# Altium PCB xialeste.PcbDoc (part 8 of 10) (continued)
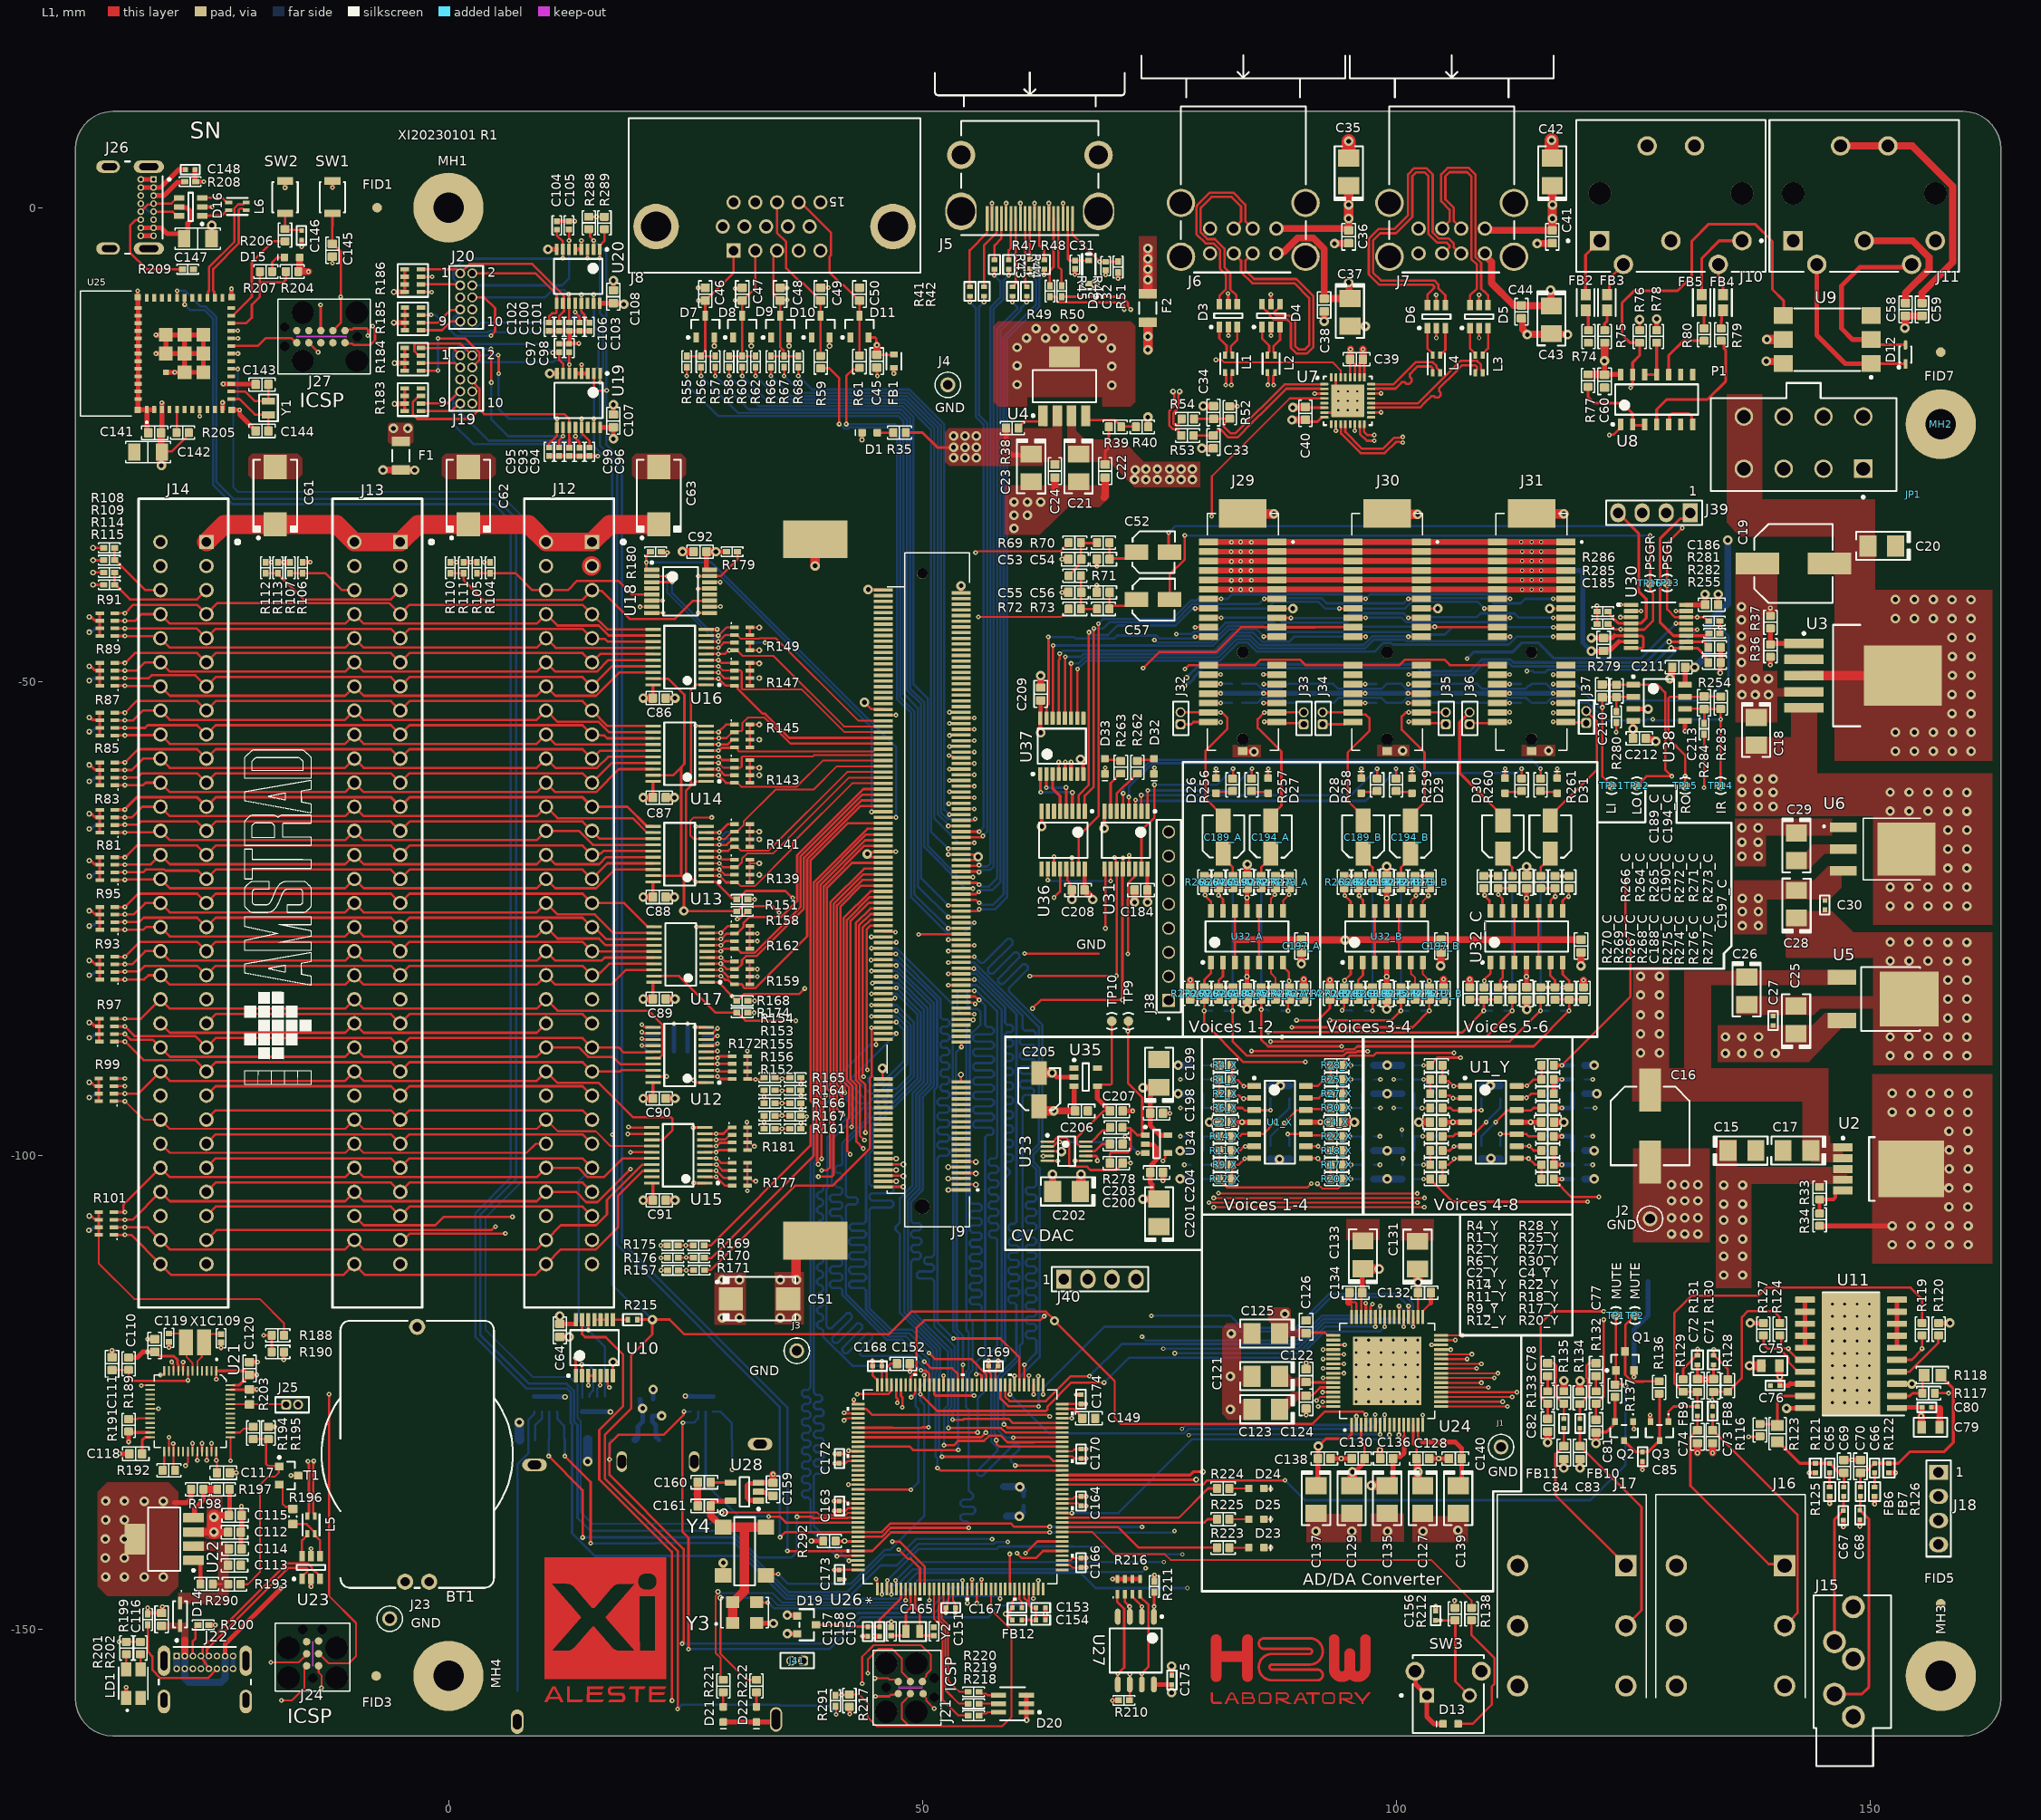
[diagram p0: L1 view]
## Nets (pads, with @x,y where several pads share a name; then routed paths per layer and width w, separated by ;. In a path a pad name is that pad's centre, name@x,y a point inside that pad or via, vN(x,y) a via of type N, cw(c..) or ccw(c..) an arc to the next point about the centre after c; other vN are vias at no path point) (continued)
MIX_R: C213.1 R248.2 R249.2 R250.2 R251.2 R252.2 R253.2 R283.1 R284.2 R285.2 R286.2 TP14.1 U38.6 | length 88.2
  L1 w0.25: v1(121.2,-42) 121.2,-42.7 121.225,-42.725 R285.2@121.225,-43.925 ; U38.6@130.475,-52.885 130.5,-53 130.545,-52.955 130.615,-52.885 132.46,-52.885 C213.1@132.5,-52.925 132.5,-54.25 132.598,-52.932 132.6,-52.9 R283.1@134.25,-52.9 ; R283.1@134.1,-53 134.25,-53.15 v1(134.25,-54) ; TP14.1@134.25,-61.101 TP14.1@134.25,-61 134.25,-54.05 v1@134.3,-54
  L3 w0.25: v1(121.2,-42) 121.9,-41.3 126.1,-41.3 127.325,-42.525 127.325,-53.2 127.148,-53.377 127.148,-53.948 v1(127.1,-53.996)
  L6 w0.25: R248.2@83.75,-52.25 R248.2@83.825,-52.25 85.358,-52.25 85.883,-51.725 87.975,-51.725 88.5,-52.25 R249.2@88.575,-52.25 93.388,-52.25 93.912,-51.725 98.475,-51.725 R250.2@99,-52.25 ; R250.2@99.075,-52.25 100.608,-52.25 101.133,-51.725 103.15,-51.725 103.675,-52.25 R251.2@103.75,-52.25 111.328,-52.25 111.846,-51.732 112.189,-51.732 112.197,-51.725 113.725,-51.725 114.075,-52.075 R252.2@114.11,-52.11 ; R252.2@114.325,-52.25 115.873,-52.25 116.398,-51.725 118.225,-51.725 R253.2@118.75,-52.25 ; R253.2@118.825,-52.25 120.256,-52.25 120.81,-52.804 122.106,-54.1 126.35,-54.1 126.454,-53.996 v1(127.1,-53.996) ; v1@127.1,-54.1 130.156,-54.1 130.256,-54 v1(134.25,-54)
MUTE: Q1.3 R136.1 TP2.1 | length 10.6
  L1 w0.25: TP2.1@125.2,-116.9 124.2,-117.9 124.2,-120.65 Q1.3@124.15,-120.7 124.175,-120.725 124.175,-123.147 124.903,-123.875 126.139,-123.875 126.164,-123.85 R136.1@127.75,-123.85
nBUTTON: R206.2 U25.23 | length 11.1
  L1 w0.25: U25.23@-22.94,-11.401 -22.74,-11.401 -20.75,-9.411 -20.75,-5.75 -18.548,-3.548 R206.2@-17.245,-3.548
NetBT1_2: BT1.2 BT1.3 D19.2 | length 43.6
  L1 w0.5: v2(35.757,-150.493) D19.2@36.799,-150.493
  L4 (PWR) w0.5: BT1.3@-4.57,-145 BT1.2@-2.03,-145 8.75,-145 13.274,-149.524 27.624,-149.524 28.593,-150.493 v2(35.757,-150.493)
NetC1_X_1: C1_X.1 R2_X.2 U1_X.2 | length 3.7
  L1 w0.25: R2_X.2@82.65,-93.5 82.85,-93.7 83.45,-93.7 83.75,-94 84.985,-94 U1_X.2@85.025,-93.96
  L6 w0.25: v1(83.911,-94.024) 83.926,-94.009 C1_X.1@85.015,-94.009
NetC1_X_2: C1_X.2 R1_X.2 R4_X.1 U1_X.1 | length 5.3
  L1 w0.25: R4_X.1@82.65,-90.5 R1_X.2@82.65,-92 82.721,-92.071 83.304,-92.071 v1(83.935,-92.702) 83.941,-92.696 85.019,-92.696 U1_X.1@85.025,-92.69
  L6 w0.25: v1(83.935,-92.702) 83.956,-92.68 84.993,-92.68 C1_X.2@85.015,-92.659
NetC1_Y_1: C1_Y.1 R2_Y.2 U1_Y.2 | length 3.9
  L1 w0.25: R2_Y.2@104.9,-93.5 105.1,-93.7 105.7,-93.7 105.997,-93.997 106,-94 107.235,-94 U1_Y.2@107.275,-93.96
  L6 w0.25: v1(106.019,-93.975) 106.053,-94.009 C1_Y.1@107.265,-94.009
NetC1_Y_2: C1_Y.2 R1_Y.2 R4_Y.1 U1_Y.1 | length 5.3
  L1 w0.25: R4_Y.1@104.9,-90.5 104.9,-91.775 105.013,-91.888 105.2,-92.075 105.2,-92.183 105.554,-92.183 v1(106.089,-92.718) 106.103,-92.704 107.261,-92.704 U1_Y.1@107.275,-92.69
  L6 w0.25: v1(106.089,-92.718) 106.119,-92.688 107.235,-92.688 C1_Y.2@107.265,-92.659
NetC3_X_1: C3_X.1 R1_X.1 R2_X.1 R3_X.2 | length 5.3
  L1 w0.2: v1(80.65,-92) R1_X.1@81.35,-92 R2_X.1@81.35,-93.5 81.35,-93.503 R2_X.1@81.336,-93.516
  L6 w0.2: R3_X.2@79.65,-92 v1(80.65,-92)
  L6 w0.25: v1(80.65,-92) 80.688,-92.038 80.688,-92.188 81.95,-93.45 C3_X.1@82,-93.45
NetC3_X_2: C3_X.2 R5_X.2 R6_X.1 R8_X.2 | length 4.6
  L1 w0.2: v1(80.65,-95) R6_X.1@81.35,-95
  L6 w0.2: R8_X.2@79.65,-93.5 R5_X.2@79.65,-95 v1(80.65,-95) 81.95,-95 C3_X.2@82,-95.05
NetC3_Y_1: C3_Y.1 R1_Y.1 R2_Y.1 R3_Y.2 | length 5.2
  L1 w0.25: v1(102.9,-92) R1_Y.1@103.6,-92 R2_Y.1@103.6,-93.5
  L6 w0.25: R3_Y.2@101.9,-92 v1(102.9,-92) ; v1@102.938,-91.993 102.938,-92.188 104.2,-93.45 C3_Y.1@104.25,-93.45
NetC3_Y_2: C3_Y.2 R5_Y.2 R6_Y.1 R8_Y.2 | length 4.7
  L1 w0.25: v1(102.743,-95.031) 102.759,-95.016 103.585,-95.016 R6_Y.1@103.6,-95
  L6 w0.25: R8_Y.2@101.9,-93.5 R5_Y.2@101.9,-95 101.916,-95.016 102.728,-95.016 v1(102.743,-95.031) 104.231,-95.031 C3_Y.2@104.25,-95.05
NetC5_X_2: C5_X.2 R6_X.2 U1_X.3 | length 5.5
  L1 w0.25: R6_X.2@82.65,-95 83.773,-95 84.05,-95.277 84.978,-95.277 U1_X.3@85.025,-95.23 85.035,-95.24 v1(86.74,-95.24)
  L6 w0.25: v1(86.74,-95.24) 86.74,-94.033 C5_X.2@86.765,-94.009
NetC5_Y_2: C5_Y.2 R6_Y.2 U1_Y.3 | length 5.5
  L1 w0.25: R6_Y.2@104.9,-95 105.75,-95 106,-95.25 107.255,-95.25 U1_Y.3@107.275,-95.23 107.285,-95.24 v1@108.99,-95.24
  L6 w0.25: v1(108.994,-95.24) 108.99,-95.24 109,-95.25 109,-94.023 C5_Y.2@109.015,-94.009
NetC6_X_1: C6_X.1 R11_X.2 U1_X.6 | length 3.5
  L1 w0.25: R11_X.2@82.65,-99.5 83.537,-99.5 83.997,-99.04 U1_X.6@85.025,-99.04
  L6 w0.25: v1(84.097,-99.075) 84.135,-99.037 84.956,-99.037 C6_X.1@85,-98.993
NetC6_X_2: C6_X.2 R9_X.2 R12_X.1 U1_X.7 | length 5.1
  L1 w0.25: R12_X.1@82.65,-102.5 R9_X.2@82.65,-101 83.396,-101 84.062,-100.334 85.001,-100.334 U1_X.7@85.025,-100.31
  L6 w0.25: v1(84.038,-100.357) 84.046,-100.35 84.993,-100.35 C6_X.2@85,-100.343
NetC6_Y_1: C6_Y.1 R11_Y.2 U1_Y.6 | length 3.7
  L1 w0.25: R11_Y.2@104.9,-99.5 105.669,-99.5 106.116,-99.052 107.263,-99.052 U1_Y.6@107.275,-99.04
  L6 w0.25: v1(106.104,-99.065) 106.158,-99.065 106.23,-98.993 C6_Y.1@107.25,-98.993
NetC6_Y_2: C6_Y.2 R9_Y.2 R12_Y.1 U1_Y.7 | length 5.3
  L1 w0.25: R12_Y.1@104.9,-102.5 R9_Y.2@104.9,-101 104.904,-100.996 105.554,-100.996 106.087,-100.463 106.087,-100.388 106.145,-100.33 107.255,-100.33 U1_Y.7@107.275,-100.31
  L6 w0.25: v1(106.125,-100.35) 106.129,-100.346 107.246,-100.346 C6_Y.2@107.25,-100.343
NetC7_X_1: C7_X.1 R9_X.1 R10_X.2 R11_X.1 | length 5.2
  L1 w0.2: v1(80.7,-101) R9_X.1@81.35,-101 R11_X.1@81.35,-99.5
  L6 w0.2: R10_X.2@79.65,-101 v1(80.7,-101) 80.698,-100.952 80.698,-100.802 81.95,-99.55 C7_X.1@82,-99.55
NetC7_X_2: C7_X.2 R13_X.2 R14_X.1 R16_X.2 | length 4.6
  L1 w0.2: v1(80.65,-98) R14_X.1@81.35,-98
  L6 w0.2: R16_X.2@79.65,-99.5 R13_X.2@79.65,-98 v1(80.65,-98) 81.95,-98 C7_X.2@82,-97.95
NetC7_Y_1: C7_Y.1 R9_Y.1 R10_Y.2 R11_Y.1 | length 5.2
  L1 w0.25: v1(102.9,-101) R9_Y.1@103.6,-101 R11_Y.1@103.6,-99.5
  L6 w0.25: R10_Y.2@101.9,-101 v1(102.9,-101) ; v1@102.938,-100.982 102.938,-100.812 104.2,-99.55 C7_Y.1@104.25,-99.55
NetC7_Y_2: C7_Y.2 R13_Y.2 R14_Y.1 R16_Y.2 | length 6.1
  L1 w0.25: v1(102.807,-97.992) 102.811,-97.996 103.596,-97.996 R14_Y.1@103.6,-98
  L6 w0.25: R16_Y.2@101.9,-99.5 R13_Y.2@101.9,-98 101.904,-97.996 102.803,-97.996 v1(102.807,-97.992) ; C7_Y.2@104.225,-97.975 C7_Y.2@104.208,-97.992 ; C7_Y.2@104.25,-97.95 C7_Y.2@104.208,-97.992 ; v1@102.842,-97.992 102.825,-97.975 v1@102.842,-97.992 ; v1@102.842,-97.992 C7_Y.2@104.208,-97.992 ; v1@102.842,-97.992 C7_Y.2@104.208,-97.992
  L6 w0.5: C7_Y.2@104.225,-97.975 C7_Y.2@104.25,-97.95
NetC8_X_2: C8_X.2 R14_X.2 U1_X.5 | length 8.4
  L1 w0.25: R14_X.2@82.65,-98 83.5,-98 83.75,-97.75 85.005,-97.75 U1_X.5@85.025,-97.77 85.98,-97.77 v1(87.25,-96.5)
  L6 w0.25: v1(87.25,-96.5) 88.75,-95 88.75,-94.023 C8_X.2@88.765,-94.009
NetC8_Y_2: C8_Y.2 R14_Y.2 U1_Y.5 | length 8.3
  L1 w0.25: R14_Y.2@104.9,-98 106,-98 106.23,-97.77 U1_Y.5@107.275,-97.77 108.23,-97.77 v1(109.5,-96.5)
  L6 w0.25: v1(109.5,-96.5) 111,-95 111,-94.023 C8_Y.2@111.015,-94.009
NetC9_X_1: C9_X.1 R18_X.2 U1_X.9 | length 4.1
  L1 w0.25: U1_X.9@90.475,-99.04 91.79,-99.04 92.25,-99.5 R18_X.2@93.1,-99.5
  L6 w0.25: C9_X.1@90.5,-98.993 90.558,-99.051 v1(91.778,-99.051)
NetC9_X_2: C9_X.2 R17_X.2 R20_X.1 U1_X.8 | length 5.6
  L1 w0.25: U1_X.8@90.475,-100.31 91.56,-100.31 v1@91.664,-100.414 ; v1(91.744,-100.335) 92.409,-101 R17_X.2@93.1,-101 R20_X.1@93.1,-102.5
  L6 w0.25: C9_X.2@90.5,-100.343 90.508,-100.335 v1(91.744,-100.335)
NetC9_Y_1: C9_Y.1 R18_Y.2 U1_Y.9 | length 4.1
  L1 w0.25: U1_Y.9@112.725,-99.04 112.73,-99.035 114.033,-99.035 v1(114.038,-99.029) 114.509,-99.5 R18_Y.2@115.35,-99.5
  L6 w0.25: C9_Y.1@112.75,-98.993 112.768,-99.011 114.02,-99.011 v1(114.038,-99.029)
NetC9_Y_2: C9_Y.2 R17_Y.2 R20_Y.1 U1_Y.8 | length 5.6
  L1 w0.25: U1_Y.8@112.725,-100.31 113.952,-100.31 114.642,-101 R17_Y.2@115.35,-101 R20_Y.1@115.35,-102.5
  L6 w0.25: C9_Y.2@112.75,-100.343 v1(113.98,-100.343)
NetC10_X_1: C10_X.1 R17_X.1 R18_X.1 R19_X.2 | length 5.6
  L1 w0.2: R18_X.1@94.4,-99.5 R17_X.1@94.4,-101 v1(95.25,-101)
  L6 w0.2: v1(95.25,-101) R19_X.2@96.35,-101
  L6 w0.25: C10_X.1@93.75,-99.55 93.8,-99.55 v1(95.25,-101)
NetC10_X_2: C10_X.2 R21_X.2 R22_X.1 R24_X.2 | length 4.8
  L1 w0.2: R22_X.1@94.4,-98 v1(95.1,-98)
  L6 w0.2: C10_X.2@93.75,-97.95 93.8,-98 v1(95.1,-98) R21_X.2@96.35,-98 R24_X.2@96.35,-99.5
NetC10_Y_1: C10_Y.1 R17_Y.1 R18_Y.1 R19_Y.2 | length 5.6
  L1 w0.5: R18_Y.1@116.65,-99.5 R17_Y.1@116.65,-101 v1(117.5,-101)
  L6 w0.5: C10_Y.1@116,-99.55 116.05,-99.55 v1(117.5,-101) R19_Y.2@118.6,-101
NetC10_Y_2: C10_Y.2 R21_Y.2 R22_Y.1 R24_Y.2 | length 5
  L1 w0.5: R22_Y.1@116.65,-98 v1(117.5,-98) v1@117.475,-97.975
  L6 w0.5: C10_Y.2@116,-97.95 116.025,-97.975 v1@117.475,-97.975 ; v1(117.5,-98) R21_Y.2@118.6,-98 R24_Y.2@118.6,-99.5
NetC11_X_2: C11_X.2 R22_X.2 U1_X.10 | length 6
  L1 w0.25: v1@88.51,-97.76 v1(88.56,-97.76) 90.465,-97.76 U1_X.10@90.475,-97.77 90.59,-97.885 92.985,-97.885 R22_X.2@93.1,-98
  L6 w0.25: v1@88.51,-97.76 88.5,-97.75 88.5,-97.804 88.75,-98.054 C11_X.2@88.75,-98.993
NetC11_Y_2: C11_Y.2 R22_Y.2 U1_Y.10 | length 5.7
  L1 w0.25: v1(111,-97.75) 111.01,-97.76 112.715,-97.76 U1_Y.10@112.725,-97.77 113.77,-97.77 114,-98 R22_Y.2@115.35,-98
  L6 w0.25: C11_Y.2@111,-98.993 v1(111,-97.75)
NetC12_X_1: C12_X.1 R27_X.2 U1_X.13 | length 4.9
  L1 w0.25: U1_X.13@90.475,-93.96 91.871,-93.96 92.337,-93.494 92.34,-93.497 93.097,-93.497 R27_X.2@93.1,-93.5
  L6 w0.25: C12_X.1@90.515,-94.009 91.823,-94.009 v1@92.337,-93.494
  other v1: 92.338,-93.494
NetC12_X_2: C12_X.2 R25_X.2 R28_X.1 U1_X.14 | length 6.5
  L1 w0.25: U1_X.14@90.475,-92.69 91.71,-92.69 92.337,-92.063 92.4,-92 R25_X.2@93.1,-92 R28_X.1@93.1,-90.5
  L6 w0.25: C12_X.2@90.515,-92.659 91.765,-92.659 v1(92.349,-92.074)
NetC12_Y_1: C12_Y.1 R27_Y.2 U1_Y.13 | length 3.9
  L1 w0.25: U1_Y.13@112.725,-93.96 112.76,-93.925 v1(113.768,-93.925) 113.825,-93.925 114.25,-93.5 R27_Y.2@115.35,-93.5
  L6 w0.25: C12_Y.1@112.765,-94.009 112.81,-93.963 113.73,-93.963 v1(113.768,-93.925)
NetC12_Y_2: C12_Y.2 R25_Y.2 R28_Y.1 U1_Y.14 | length 5.5
  L1 w0.25: U1_Y.14@112.725,-92.69 112.739,-92.676 113.795,-92.676 v1(113.809,-92.661) 113.839,-92.661 114.5,-92 R25_Y.2@115.35,-92 R28_Y.1@115.35,-90.5
  L6 w0.25: C12_Y.2@112.765,-92.659 C12_Y.2@112.765,-92.659 113.808,-92.66 v1(113.809,-92.661)
NetC13_X_1: C13_X.1 R25_X.1 R26_X.2 R27_X.1 | length 5.6
  L1 w0.2: R27_X.1@94.4,-93.5 R25_X.1@94.4,-92 v1(95.25,-92)
  L6 w0.2: C13_X.1@93.75,-93.45 93.8,-93.45 v1(95.25,-92) R26_X.2@96.35,-92
NetC13_X_2: C13_X.2 R29_X.2 R30_X.1 R32_X.2 | length 4.9
  L1 w0.2: R30_X.1@94.4,-95 v1(95.1,-95)
  L6 w0.2: C13_X.2@93.75,-95.05 93.75,-95 v1(95.1,-95) R29_X.2@96.35,-95 R32_X.2@96.35,-93.5
NetC13_Y_1: C13_Y.1 R25_Y.1 R26_Y.2 R27_Y.1 | length 5.8
  L1 w0.5: R27_Y.1@116.65,-93.5 R25_Y.1@116.65,-92 v1(117.5,-92)
  L6 w0.5: C13_Y.1@116,-93.7 116.05,-93.7 117.157,-92.593 117.157,-92.343 v1(117.5,-92) R26_Y.2@118.6,-92
NetC13_Y_2: C13_Y.2 R29_Y.2 R30_Y.1 R32_Y.2 | length 5.1
  L1 w0.5: R30_Y.1@116.65,-95 v1(117.5,-95)
  L6 w0.5: C13_Y.2@116,-95.3 116.3,-95 v1(117.5,-95) R29_Y.2@118.6,-95 R32_Y.2@118.6,-93.5
NetC14_X_2: C14_X.2 R30_X.2 U1_X.12 | length 8.6
  L1 w0.2: v1(88.2,-96.6) 88.2,-96.55 89.51,-95.24 90.465,-95.24 U1_X.12@90.59,-95.115
  L1 w0.25: U1_X.12@90.59,-95.115 92.985,-95.115 R30_X.2@93.1,-95
  L6 w0.2: C14_X.2@86.75,-98.993 86.75,-98 88.15,-96.6 v1(88.2,-96.6)
NetC14_Y_2: C14_Y.2 R30_Y.2 U1_Y.12 | length 8.6
  L1 w0.25: v1(110.5,-96.5) 111.75,-95.25 112.725,-95.25 114.25,-95.25 114.5,-95 R30_Y.2@115.35,-95
  L6 w0.25: C14_Y.2@109,-98.993 109,-98 v1(110.5,-96.5)
NetC32_2: C32.2 J5.19 R51.2 | length 7.7
  L1 w0.25: J5.19@65.85,-1.16 65.85,-2.85 v1(68.716,-5.716) C32.2@69.361,-5.716 70.631,-5.716 R51.2@70.661,-5.686
NetC52_1: C52.1 C54.2 R70.2 | length 6.1
  L1 w0.25: R70.2@69.75,-35.35 69.762,-35.363 69.762,-37.1 69.762,-37.238 69.775,-37.25 69.85,-37.175 70,-37.025 C52.1@71.925,-37.025 ; C52.1@71.925,-37.025 C52.1@72.6,-36.35 C52.1@71.925,-37.025
NetC53_2: C53.2 R69.2 R70.1 R71.2 | length 6.1
  L1 w0.25: R71.2@65.45,-38.85 65.575,-38.975 65.575,-38.675 66.45,-37.8 66.45,-37.425 C53.2@66.775,-37.1 66.75,-37.075 R69.2@66.75,-35.35 66.8,-35.4 68.4,-35.4 R70.1@68.45,-35.35
NetC55_1: C55.1 R71.1 R72.2 R73.1 | length 5.2
  L1 w0.25: R71.1@66.75,-38.85 66.762,-38.862 66.762,-40.587 C55.1@66.775,-40.6 66.762,-40.612 66.762,-42.338 R72.2@66.75,-42.35 R73.1@68.45,-42.35
NetC56_1: C56.1 C57.1 R73.2 | length 5
  L1 w0.25: C56.1@69.775,-40.6 69.762,-40.612 69.762,-42.338 R73.2@69.75,-42.35 69.75,-42.325 70.05,-42.025 71.925,-42.025 C57.1@72.6,-41.35
NetC58_1: C58.1 J11.2 | length 13.4
  L1 w0.75: J11.2@149.4,-3.5 154.5,-3.5 156.25,-5.25 156.25,-6.5 153.75,-9 C58.1@153.75,-10.075
NetC59_1: C59.1 J11.6 J11.7 | length 27.3
  L1 w0.75: J11.7@146.9,6.51 J11.6@151.9,6.51 154.479,6.51 158.725,2.264 158.725,-5.775 155.5,-9 C59.1@155.5,-10.075
NetC65_2: C65.2 R125.2 | length 1.5
  L1 w0.3: R125.2@145.75,-135 C65.2@145.75,-133.5
NetC66_2: C66.2 R126.2 | length 1.5
  L1 w0.3: R126.2@150.5,-135 C66.2@150.5,-133.5
NetC77_1: C77.1 FB10.1 R134.2 | length 7.2
  L1 w0.25: FB10.1@119.4,-127.8 119.4,-126.255 R134.2@119.38,-126.235 119.43,-126.235 119.926,-125.739 119.95,-125.739 120.234,-125.455 120.234,-123.591 120.08,-123.437 120.08,-122.22 120.35,-121.95 C77.1@121.1,-121.95
NetC77_2: C77.2 R132.2 | length 1.6
  L1 w0.25: R132.2@121.1,-124.9 C77.2@121.1,-123.3
NetC78_1: C78.1 FB11.1 R135.2 | length 7
  L1 w0.25: C78.1@116,-121.95 116.65,-121.95 116.9,-122.2 116.9,-123.457 116.821,-123.536 116.821,-125.395 117.13,-125.704 117.154,-125.704 117.65,-126.2 R135.2@117.7,-126.2 FB11.1@117.7,-127.8
NetC78_2: C78.2 R133.2 | length 1.6
  L1 w0.25: R133.2@116,-124.9 C78.2@116,-123.3
NetC85_2: C85.2 Q2.3 Q3.3 R136.2 | length 9.7
  L1 w0.3: Q2.3@124.05,-130.1 125.25,-131.3 C85.2@126,-131.3 126.6,-131.3 Q3.3@127.8,-130.1 127.8,-125.2 R136.2@127.75,-125.15
NetC149_2: C149.2 U26.71 | length 2.6
  L1 w0.25: U26.71@64.776,-126.75 65.95,-126.75 66.9,-127.7 C149.2@66.9,-127.75
NetC152_1: C152.1 U26.106 | length 3.1
  L1 w0.25: U26.106@46.25,-124.224 46.25,-122.379 46.629,-122 C152.1@47.325,-122
NetC160_2: C160.2 U28.4 | length 2.1
  L1 w0.3: C160.2@27.675,-134.5 27.7,-134.525 29.75,-134.525 U28.4@29.775,-134.55
NetC187_A_1: C187_A.1 R264_A.1 R265_A.2 U32_A.13 | length 5
  L1 w0.25: v1(81.267,-72.567) v1@81.267,-72.522 ; U32_A.13@81.727,-74.197 81.727,-72.982 81.29,-72.544 v1@81.267,-72.522 ; R265_A.2@82.767,-71.822 R264_A.1@81.267,-71.822 v1@81.267,-72.522
  L6 w0.25: C187_A.1@81.192,-71.672 81.23,-71.709 81.23,-72.543 v1@81.256,-72.57
NetC187_A_2: C187_A.2 R266_A.1 U32_A.14 | length 3.5
  L1 w0.25: R266_A.1@79.767,-71.822 79.767,-72.522 79.815,-72.57 80.457,-73.212 U32_A.14@80.457,-74.197
  L6 w0.5: v1(79.842,-72.544) C187_A.2@79.842,-71.672
NetC187_B_1: C187_B.1 R264_B.1 R265_B.2 U32_B.13 | length 5.1
  L1 w0.25: U32_B.13@96.477,-74.197 96.5,-74.174 96.5,-73.049 96.1,-72.649 v1(96.1,-72.6) 96.062,-72.562 96.062,-71.867 R264_B.1@96.017,-71.822 R265_B.2@97.517,-71.822
  L6 w0.25: C187_B.1@95.942,-71.672 96.062,-71.792 96.062,-72.562 v1(96.1,-72.6)
NetC187_B_2: C187_B.2 R266_B.1 U32_B.14 | length 3.6
  L1 w0.25: R266_B.1@94.517,-71.822 94.517,-72.517 95.207,-73.207 U32_B.14@95.207,-74.197
  L6 w0.25: v1(94.592,-72.592) C187_B.2@94.592,-71.672
NetC187_C_1: C187_C.1 R264_C.1 R265_C.2 U32_C.13 | length 4.9
  L1 w0.25: U32_C.13@111.227,-74.197 111.227,-72.927 110.784,-72.484 110.784,-71.838 R264_C.1@110.767,-71.822 R265_C.2@112.267,-71.822
  L6 w0.25: C187_C.1@110.692,-71.672 110.762,-71.742 110.762,-72.462 v1(110.8,-72.5)
NetC187_C_2: C187_C.2 R266_C.1 U32_C.14 | length 3.5
  L1 w0.25: R266_C.1@109.267,-71.822 109.267,-72.517 109.325,-72.575 109.847,-73.097 109.847,-74.087 U32_C.14@109.957,-74.197
  L6 w0.25: v1(109.342,-72.558) C187_C.2@109.342,-71.672
NetC189_A_1: C189_A.1 R265_A.1 | length 2.8
  L1 w0.25: C189_A.1@81.767,-68.172 81.767,-68.622 82.767,-69.622 R265_A.1@82.767,-70.522
NetC189_B_1: C189_B.1 R265_B.1 | length 2.8
  L1 w0.25: C189_B.1@96.517,-68.172 96.517,-68.622 97.517,-69.622 R265_B.1@97.517,-70.522
NetC189_C_1: C189_C.1 R265_C.1 | length 2.8
  L1 w0.25: C189_C.1@111.267,-68.172 111.267,-68.622 112.267,-69.622 R265_C.1@112.267,-70.522
NetC192_A_1: C192_A.1 R267_A.1 R268_A.2 U32_A.2 | length 5.3
  L1 w0.25: U32_A.2@81.727,-79.647 81.727,-81.112 81.267,-81.572 R267_A.1@81.267,-82.272 v1(82.017,-82.272) R268_A.2@82.767,-82.272
  L6 w0.25: C192_A.1@81.925,-83.25 81.979,-83.196 81.979,-82.31 v1(82.017,-82.272)
NetC192_A_2: C192_A.2 R269_A.1 U32_A.1 | length 4.7
  L1 w0.25: v1(80.432,-82.275) 80.432,-82.262 79.777,-82.262 R269_A.1@79.767,-82.272 79.767,-81.483 80.457,-80.793 U32_A.1@80.457,-79.647
  L6 w0.25: v1(80.432,-82.275) v1@80.44,-82.283 ; v1@80.432,-82.262 80.442,-82.252 80.449,-82.259 80.48,-82.291 80.48,-83.155 C192_A.2@80.575,-83.25
NetC192_B_1: C192_B.1 R267_B.1 R268_B.2 U32_B.2 | length 5.3
  L1 w0.25: U32_B.2@96.477,-79.647 96.5,-79.67 96.5,-81 96.017,-81.483 R267_B.1@96.017,-82.272 96.026,-82.281 96.75,-82.281 v1(96.759,-82.29) 96.768,-82.281 97.508,-82.281 R268_B.2@97.517,-82.272
  L6 w0.25: C192_B.1@96.675,-83.25 96.675,-82.429 96.759,-82.345 v1(96.759,-82.29)
NetC192_B_2: C192_B.2 R269_B.1 U32_B.1 | length 4.9
  L1 w0.25: R269_B.1@94.517,-82.272 94.517,-81.572 95.207,-80.882 U32_B.1@95.207,-79.647
  L6 w0.25: v1(94.57,-81.55) 95.325,-82.305 C192_B.2@95.325,-83.25
NetC192_C_1: C192_C.1 R267_C.1 R268_C.2 U32_C.2 | length 5.4
  L1 w0.25: U32_C.2@111.227,-79.647 111.25,-79.67 111.25,-81.25 110.968,-81.532 110.968,-82.07 R267_C.1@110.767,-82.272 v1(111.517,-82.272) R268_C.2@112.267,-82.272
  L6 w0.25: C192_C.1@111.425,-83.25 111.425,-82.364 v1(111.517,-82.272)
NetC192_C_2: C192_C.2 R269_C.1 U32_C.1 | length 4.9
  L1 w0.25: R269_C.1@109.267,-82.272 109.283,-82.255 109.283,-81.617 v1(109.3,-81.6) ; v1@109.267,-81.632 109.267,-81.483 109.957,-80.793 U32_C.1@109.957,-79.647
  L6 w0.25: v1(109.3,-81.6) 110.075,-82.375 C192_C.2@110.075,-83.25
NetC193_A_1: C193_A.1 R271_A.1 R272_A.2 U32_A.9 | length 5
  L1 w0.2: R272_A.2@85.767,-71.822 R271_A.1@87.267,-71.822 87.2,-71.889 v1(87.2,-72.5) 86.807,-72.893 U32_A.9@86.807,-74.197
  L6 w0.2: v1(87.2,-72.5) 87.2,-71.814 C193_A.1@87.342,-71.672
NetC193_A_2: C193_A.2 R273_A.1 U32_A.8 | length 3.5
  L1 w0.2: U32_A.8@88.077,-74.197 88.077,-73.123 v1(88.7,-72.5) 88.7,-71.889 R273_A.1@88.767,-71.822
  L6 w0.25: C193_A.2@88.692,-71.672 88.696,-71.676 88.696,-72.496 v1(88.7,-72.5)
NetC193_B_1: C193_B.1 R271_B.1 R272_B.2 U32_B.9 | length 5.1
  L1 w0.2: R272_B.2@100.517,-71.822 R271_B.1@102.017,-71.822 102.1,-71.905 v1(102.1,-72.6) 101.557,-73.143 U32_B.9@101.557,-74.197
  L6 w0.25: C193_B.1@102.092,-71.672 102.096,-71.676 102.096,-72.596 v1(102.1,-72.6)
NetC193_B_2: C193_B.2 R273_B.1 U32_B.8 | length 3.6
  L1 w0.2: U32_B.8@102.827,-74.197 102.827,-73.173 v1(103.4,-72.6) 103.4,-71.939 R273_B.1@103.517,-71.822
  L6 w0.25: v1(103.4,-72.6) 103.421,-72.579 103.421,-71.693 C193_B.2@103.442,-71.672
NetC193_C_1: C193_C.1 R271_C.1 R272_C.2 U32_C.9 | length 5.2
  L1 w0.25: R272_C.2@115.267,-71.822 R271_C.1@116.767,-71.822 116.784,-71.839 116.784,-72.683 v1(116.8,-72.7) 116.752,-72.748 116.656,-72.748 116.307,-73.097 U32_C.9@116.307,-74.197
  L6 w0.25: v1(116.8,-72.7) 116.821,-72.679 116.821,-71.693 C193_C.1@116.842,-71.672
NetC193_C_2: C193_C.2 R273_C.1 U32_C.8 | length 3.8
  L1 w0.25: U32_C.8@117.577,-74.197 117.577,-73.123 117.952,-72.748 118.152,-72.748 118.234,-72.666 118.234,-71.856 R273_C.1@118.267,-71.822
  L6 w0.25: C193_C.2@118.192,-71.672 118.196,-71.676 118.196,-72.696 v1(118.2,-72.7)
NetC194_A_1: C194_A.1 R272_A.1 | length 2.8
  L1 w0.25: R272_A.1@85.767,-70.522 85.767,-69.622 86.767,-68.622 C194_A.1@86.767,-68.172
NetC194_B_1: C194_B.1 R272_B.1 | length 2.8
  L1 w0.25: R272_B.1@100.517,-70.522 100.517,-69.622 101.517,-68.622 C194_B.1@101.517,-68.172
NetC194_C_1: C194_C.1 R272_C.1 | length 2.8
  L1 w0.25: R272_C.1@115.267,-70.522 115.25,-70.505 115.25,-69.639 116.267,-68.622 C194_C.1@116.267,-68.172
NetC196_A_1: C196_A.1 R274_A.1 R275_A.2 U32_A.6 | length 5.3
  L1 w0.2: R275_A.2@85.767,-82.272 R275_A.2@85.928,-82.272 ; U32_A.6@86.807,-79.647 86.807,-80.807 87.267,-81.267 R274_A.1@87.267,-82.272
  L1 w0.25: R275_A.2@85.9,-82.3 85.928,-82.272 86.575,-82.272 R274_A.1@87.267,-82.272
  L6 w0.25: C196_A.1@86.575,-83.25 v1(86.575,-82.275)
NetC196_A_2: C196_A.2 R276_A.1 U32_A.7 | length 4.9
  L1 w0.25: U32_A.7@88.077,-79.647 88.077,-80.072 88.7,-80.695 R276_A.1@88.7,-82.3
  L6 w0.25: C196_A.2@87.925,-83.25 87.925,-82.375 v1(88.7,-81.6)
NetC196_B_1: C196_B.1 R274_B.1 R275_B.2 U32_B.6 | length 5.3
  L1 w0.2: R275_B.2@100.517,-82.272 100.545,-82.3 101.989,-82.3 R274_B.1@102.017,-82.272 102.017,-81.267 101.557,-80.807 U32_B.6@101.557,-79.647
  L6 w0.2: v1(101.3,-82.3) 101.3,-83.225 C196_B.1@101.325,-83.25
NetC196_B_2: C196_B.2 R276_B.1 U32_B.7 | length 4.9
  L1 w0.2: U32_B.7@102.827,-79.647 102.827,-80.882 v1@103.517,-81.572 ; v1(103.5,-81.6) 103.5,-82.255 R276_B.1@103.517,-82.272
  L6 w0.25: C196_B.2@102.675,-83.25 102.779,-83.146 102.779,-82.321 v1(103.5,-81.6)
NetC196_C_1: C196_C.1 R274_C.1 R275_C.2 U32_C.6 | length 5.4
  L1 w0.25: R275_C.2@115.267,-82.272 115.275,-82.264 v1@116.009,-82.264 ; v1@116.025,-82.264 116.759,-82.264 R274_C.1@116.767,-82.272 116.767,-81.517 116.25,-81 116.25,-79.704 U32_C.6@116.307,-79.647
  L6 w0.25: v1@116.009,-82.264 116.017,-82.256 v1@116.046,-82.285 ; v1(116.031,-82.3) v1@116.046,-82.285 ; C196_C.1@116.075,-83.25 116.046,-83.221 v1@116.046,-82.285
NetC196_C_2: C196_C.2 R276_C.1 U32_C.7 | length 4.8
  L1 w0.25: U32_C.7@117.577,-79.647 117.577,-80.882 118.267,-81.572 R276_C.1@118.267,-82.272 118.257,-82.262 117.602,-82.262 117.592,-82.252 117.592,-82.306 v1(117.6,-82.298)
  L6 w0.25: C196_C.2@117.425,-83.25 117.425,-82.473 117.592,-82.306 117.594,-82.306 v1@117.6,-82.3 ; v1(117.6,-82.298) v1@117.6,-82.2
NetD1_2: D1.2 R35.1 | length 1.8
  L1 w0.25: D1.2@45.25,-23.75 R35.1@46.95,-23.75 46.994,-23.75 R35.1@47.009,-23.766
NetD13_2: D13.2 R138.2 | length 14.4
  L1 w0.25: D13.2@106.55,-160 108.063,-160 110.1,-157.963 110.1,-156.061 110.379,-155.782 110.379,-153.053 107.958,-150.632 R138.2@107.958,-149.056
NetD20_4: D20.4 R220.2 | length 2.2
  L1 w0.2: R220.2@55.998,-156.625 56.198,-156.825 56.735,-156.825 56.885,-156.975 D20.4@58.048,-156.975
NetD20_5: D20.5 R219.2 | length 2
  L1 w0.2: R219.2@55.998,-157.875 D20.5@58.048,-157.875
NetD20_6: D20.6 R218.2 | length 2.2
  L1 w0.2: R218.2@55.998,-159.125 56.198,-158.925 56.735,-158.925 56.885,-158.775 D20.6@58.048,-158.775
NetD21_2: D21.2 R221.2 | length 1.6
  L1 w0.25: D21.2@29,-158.2 R221.2@29,-156.65
NetD22_2: D22.2 R222.2 | length 1.6
  L1 w0.25: D22.2@32.5,-158.2 R222.2@32.5,-156.65
NetD23_2: D23.2 R223.2 | length 2.1
  L1 w0.2: R223.2@82.4,-141.4 D23.2@84.45,-141.4
NetD24_2: D24.2 R224.2 | length 2.1
  L1 w0.2: R224.2@82.4,-135.15 D24.2@84.45,-135.15
NetD25_2: D25.2 R225.2 | length 2.1
  L1 w0.2: R225.2@82.4,-138.4 D25.2@84.45,-138.4
NetD26_2: D26.2 R256.2 | length 1.9
  L1 w0.25: D26.2@81,-61.8 81.123,-61.677 82.472,-61.677 R256.2@82.75,-61.4
NetD27_2: D27.2 R257.2 | length 1.9
  L1 w0.25: R257.2@84.75,-61.4 85.028,-61.677 86.427,-61.677 D27.2@86.5,-61.75
NetD28_2: D28.2 R258.2 | length 1.7
  L1 w0.25: D28.2@96.488,-61.794 96.488,-61.789 96.6,-61.677 97.723,-61.677 R258.2@98,-61.4
NetD29_2: D29.2 R259.2 | length 1.8
  L1 w0.25: R259.2@100.05,-61.4 100.328,-61.677 101.553,-61.677 D29.2@101.676,-61.8
NetD30_2: D30.2 R260.2 | length 1.9
  L1 w0.25: D30.2@111.5,-61.8 111.622,-61.677 112.973,-61.677 R260.2@113.25,-61.4
NetD31_2: D31.2 R261.2 | length 1.9
  L1 w0.25: R261.2@115.3,-61.4 115.578,-61.677 116.877,-61.677 D31.2@117,-61.8
NetD32_2: D32.2 R262.2 | length 1.9
  L1 w0.25: R262.2@72.7,-58.4 72.822,-58.278 74.327,-58.278 D32.2@74.45,-58.155
NetD33_2: D33.2 R263.2 | length 1.5
  L1 w0.25: D33.2@69.275,-58.155 69.397,-58.278 70.6,-58.278 70.7,-58.378 R263.2@70.7,-58.4
NetFB2_1: FB2.1 R74.2 | length 2.3
  L1 w0.3: FB2.1@120,-10.826 120.275,-11.101 120.275,-12.95 R74.2@120.3,-12.95
NetFB3_1: FB3.1 R75.2 | length 2.2
  L1 w0.3: R75.2@122.008,-12.95 122.008,-12.242 122.25,-12 FB3.1@122.25,-10.826
NetFB4_1: FB4.1 R79.2 | length 2
  L1 w0.3: R79.2@134.3,-12.75 134.3,-11.95 134.371,-11.879 134.371,-10.955 FB4.1@134.5,-10.826
NetFB5_1: FB5.1 R80.2 | length 2.4
  L1 w0.3: FB5.1@132.25,-10.826 132.5,-11.076 132.5,-12.475 132.475,-12.5 132.25,-12.5 R80.2@132.5,-12.75
NetLD1_2: LD1.2 R201.2 | length 1.6
  L1 w0.25: LD1.2@-34,-154.25 R201.2@-34,-152.65
NetLD1_3: LD1.3 R202.2 | length 1.6
  L1 w0.25: LD1.3@-32.5,-154.25 R202.2@-32.5,-152.65
NetR33_1: R33.1 R34.2 U2.5 | length 4.6
  L1 w0.381: R34.2@144.7,-106.15 R33.1@144.7,-104.65 146.15,-104.65 146.374,-104.427 146.374,-103.954 146.608,-103.72 U2.5@147.163,-103.72
NetR36_1: R36.1 R37.2 U3.1 | length 5.2
  L1 w0.5: R36.1@139.5,-46.1 139.5,-44.625 R37.2@139.5,-44.4 ; R36.1@139.5,-45.98 U3.1@143.033,-45.98
NetR38_1: R38.1 U4.1 | length 3.4
  L1 w0.25: R38.1@60.15,-23.25 60.15,-23.2 60.8,-22.55 62.55,-22.55 U4.1@63,-23
NetR77_1: R77.1 U8.2 U8.3 | length 9.1
  L1 w0.3: R77.1@120.25,-18.9 120.25,-20 120.889,-20.639 123.872,-20.639 124.96,-21.727 U8.2@124.96,-22.875 124.96,-22.975 126.23,-22.975 U8.3@126.23,-22.875
NetR78_1: R78.1 U8.11 U8.12 | length 4.7
  L1 w0.3: U8.12@126.23,-17.625 127.465,-17.625 U8.11@127.502,-17.662 ; U8.11@127.5,-17.625 R78.1@127.5,-14.25
NetR79_1: R79.1 U8.4 | length 14.6
  L1 w0.3: U8.4@127.5,-22.875 127.5,-21.3 128.55,-20.25 132.85,-20.25 134.8,-18.3 134.8,-15.075 134.625,-14.9 134.625,-14.325 134.35,-14.05 R79.1@134.3,-14.05
NetR80_1: R80.1 U8.10 | length 6.4
  L1 w0.3: U8.10@128.77,-17.625 128.77,-15.595 130.315,-14.05 R80.1@132.5,-14.05
NetR90_1: R90.1 R90.2 R90.3 R90.4 | length 3.5
  L6 w0.3: v3@-37.9,-49.9 -37.711,-49.9 -37.511,-49.7 -36.807,-49.7 -36.8,-49.693 R90.1@-36.8,-50.45 ; R90.2@-36.8,-49.65 R90.3@-36.8,-48.85 R90.4@-36.8,-48.05
  other v3: -37.916,-49.9
NetR116_1: R116.1 R124.2 U11.16 | length 16.8
  L1 w0.25: v1(137.2,-129.7) 138.35,-129.7 R116.1@138.4,-129.65 ; R124.2@140.5,-119 140.5,-118.9 140.654,-119.054 140.654,-120.133 140.882,-120.362 141.362,-120.362 v1(141.4,-120.4) 141.438,-120.438 141.438,-120.598 142.425,-121.585 U11.16@143.15,-121.585
  L3 w0.25: v1(137.2,-129.7) 137.2,-124.6 v1(141.4,-120.4)
NetR116_2: R116.2 R123.1 U11.19 | length 7.5
  L1 w0.3: R116.2@138.4,-128.35 140.25,-128.35 140.25,-125.75 140.605,-125.395 U11.19@143.15,-125.395
NetR117_1: R117.1 R119.2 U11.5 | length 11.9
  L1 w0.25: U11.5@152.85,-121.585 154.415,-121.585 155.5,-120.5 v1(155.5,-120.4) R119.2@155.5,-119 ; R117.1@156.85,-125.1 v1(158.3,-125.1)
  L3 w0.25: v1(155.5,-120.4) 158.3,-123.2 v1(158.3,-125.1)
NetR117_2: R117.2 R118.1 U11.2 | length 4.8
  L1 w0.25: R117.2@155.55,-125.1 155.55,-123.375 R118.1@155.725,-123.2
  L1 w0.3: U11.2@152.85,-125.395 154.205,-125.395 154.48,-125.12 155.55,-125.12 R117.2@155.55,-125.1
NetR120_2: R120.2 U11.4 | length 6.4
  L1 w0.25: U11.4@152.85,-122.855 154.145,-122.855 157.2,-119.8 157.2,-119.05 R120.2@157.25,-119